# Altium PCB S6.PcbDoc (part 2 of 14)
Units mil, origin at the board's own origin, x right, y up, seen from the top; angles counter-clockwise.
Board outline 5250 x 2929.55 mil, 6 copper layers (Top Layer, Mid-Layer 2, Mid-Layer 4, Mid-Layer 3, Mid-Layer 1, Bottom Layer); 345 components, 365 nets, 2233 pads, 960 vias.
Unrouted connection lines stored in the file: 1.
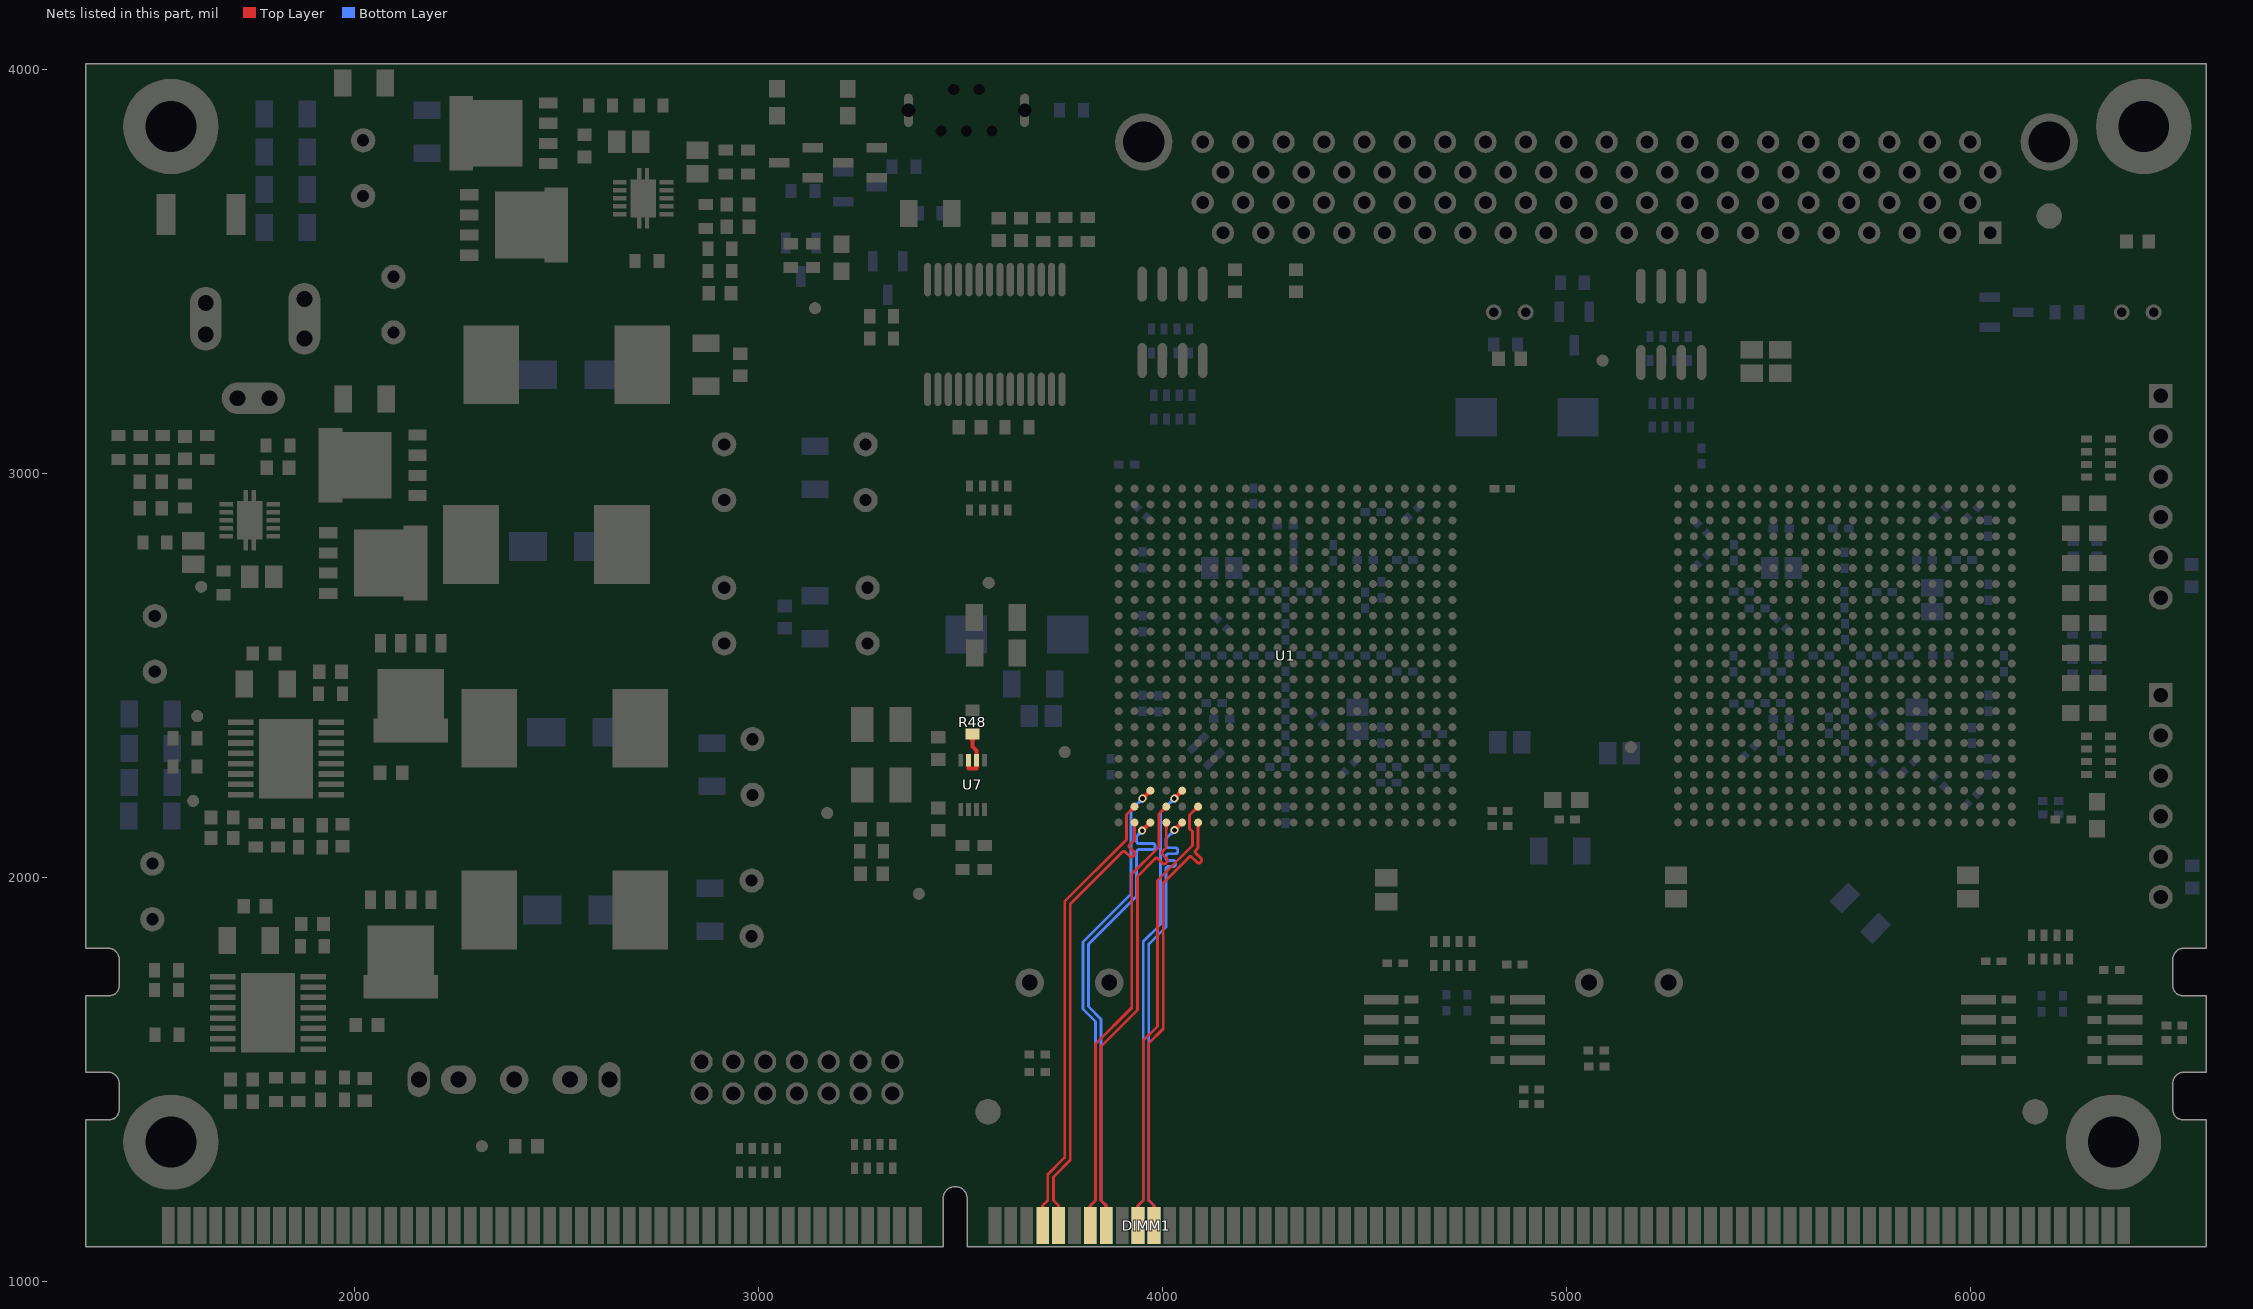
[diagram p6: the nets of this part, all layers, seen from the top]

## Footprints (in the part's own frame and the unit in brackets; to place one, negate y for a bottom-side part, rotate by r counter-clockwise, add the part's x,y. Pads: shape width x height; smd on the part's side, far side on the other; paste and mask are expansions set on the pad) (continued)
DIMM240 [mm]
  rect 0.8x2.3 smd: 1(-49.069,-6.64) 2(-48.069,-6.64) 3(-47.069,-6.64) 4(-46.069,-6.64) 5(-45.069,-6.64) 6(-44.069,-6.64) 7(-43.069,-6.64) 8(-42.069,-6.64) 9(-41.069,-6.64) 10(-40.069,-6.64) 11(-39.069,-6.64) 12(-38.069,-6.64) 13(-37.069,-6.64) 14(-36.069,-6.64) 15(-35.069,-6.64) 16(-34.069,-6.64) 17(-33.069,-6.64) 18(-32.069,-6.64) 19(-31.069,-6.64) 20(-30.069,-6.64) 21(-29.069,-6.64) 22(-28.069,-6.64) 23(-27.069,-6.64) 24(-26.069,-6.64) 25(-25.069,-6.64) 26(-24.069,-6.64) 27(-23.069,-6.64) 28(-22.069,-6.64) 29(-21.069,-6.64) 30(-20.069,-6.64) 31(-19.069,-6.64) 32(-18.069,-6.64) 33(-17.069,-6.64) 34(-16.069,-6.64) 35(-15.069,-6.64) 36(-14.069,-6.64) 37(-13.069,-6.64) 38(-12.069,-6.64) 39(-11.069,-6.64) 40(-10.069,-6.64) 41(-9.069,-6.64) 42(-8.069,-6.64) 43(-7.069,-6.64) 44(-6.069,-6.64) 45(-5.069,-6.64) 46(-4.069,-6.64) 47(-3.069,-6.64) 48(-2.069,-6.64) 49(2.931,-6.64) 50(3.931,-6.64) 51(4.931,-6.64) 52(5.931,-6.64) 53(6.931,-6.64) 54(7.931,-6.64) 55(8.931,-6.64) 56(9.931,-6.64) 57(10.931,-6.64) 58(11.931,-6.64) 59(12.931,-6.64) 60(13.931,-6.64) 61(14.931,-6.64) 62(15.931,-6.64) 63(16.931,-6.64) 64(17.931,-6.64) 65(18.931,-6.64) 66(19.931,-6.64) 67(20.931,-6.64) 68(21.931,-6.64) 69(22.931,-6.64) 70(23.931,-6.64) 71(24.931,-6.64) 72(25.931,-6.64) 73(26.931,-6.64) 74(27.931,-6.64) 75(28.931,-6.64) 76(29.931,-6.64) 77(30.931,-6.64) 78(31.931,-6.64) 79(32.931,-6.64) 80(33.931,-6.64) 81(34.931,-6.64) 82(35.931,-6.64) 83(36.931,-6.64) 84(37.931,-6.64) 85(38.931,-6.64) 86(39.931,-6.64) 87(40.931,-6.64) 88(41.931,-6.64) 89(42.931,-6.64) 90(43.931,-6.64) 91(44.931,-6.64) 92(45.931,-6.64) 93(46.931,-6.64) 94(47.931,-6.64) 95(48.931,-6.64) 96(49.931,-6.64) 97(50.931,-6.64) 98(51.931,-6.64) 99(52.931,-6.64) 100(53.931,-6.64) 101(54.931,-6.64) 102(55.931,-6.64) 103(56.931,-6.64) 104(57.931,-6.64) 105(58.931,-6.64) 106(59.931,-6.64) 107(60.931,-6.64) 108(61.931,-6.64) 109(62.931,-6.64) 110(63.931,-6.64) 111(64.931,-6.64) 112(65.931,-6.64) 113(66.931,-6.64) 114(67.931,-6.64) 115(68.931,-6.64) 116(69.931,-6.64) 117(70.931,-6.64) 118(71.931,-6.64) 119(72.931,-6.64) 120(73.931,-6.64)
  rect 0.8x2.3 smd far side: 121(-49.069,-6.64) 122(-48.069,-6.64) 123(-47.069,-6.64) 124(-46.069,-6.64) 125(-45.069,-6.64) 126(-44.069,-6.64) 127(-43.069,-6.64) 128(-42.069,-6.64) 129(-41.069,-6.64) 130(-40.069,-6.64) 131(-39.069,-6.64) 132(-38.069,-6.64) 133(-37.069,-6.64) 134(-36.069,-6.64) 135(-35.069,-6.64) 136(-34.069,-6.64) 137(-33.069,-6.64) 138(-32.069,-6.64) 139(-31.069,-6.64) 140(-30.069,-6.64) 141(-29.069,-6.64) 142(-28.069,-6.64) 143(-27.069,-6.64) 144(-26.069,-6.64) 145(-25.069,-6.64) 146(-24.069,-6.64) 147(-23.069,-6.64) 148(-22.069,-6.64) 149(-21.069,-6.64) 150(-20.069,-6.64) 151(-19.069,-6.64) 152(-18.069,-6.64) 153(-17.069,-6.64) 154(-16.069,-6.64) 155(-15.069,-6.64) 156(-14.069,-6.64) 157(-13.069,-6.64) 158(-12.069,-6.64) 159(-11.069,-6.64) 160(-10.069,-6.64) 161(-9.069,-6.64) 162(-8.069,-6.64) 163(-7.069,-6.64) 164(-6.069,-6.64) 165(-5.069,-6.64) 166(-4.069,-6.64) 167(-3.069,-6.64) 168(-2.069,-6.64) 169(2.931,-6.64) 170(3.931,-6.64) 171(4.931,-6.64) 172(5.931,-6.64) 173(6.931,-6.64) 174(7.931,-6.64) 175(8.931,-6.64) 176(9.931,-6.64) 177(10.931,-6.64) 178(11.931,-6.64) 179(12.931,-6.64) 180(13.931,-6.64) 181(14.931,-6.64) 182(15.931,-6.64) 183(16.931,-6.64) 184(17.931,-6.64) 185(18.931,-6.64) 186(19.931,-6.64) 187(20.931,-6.64) 188(21.931,-6.64) 189(22.931,-6.64) 190(23.931,-6.64) 191(24.931,-6.64) 192(25.931,-6.64) 193(26.931,-6.64) 194(27.931,-6.64) 195(28.931,-6.64) 196(29.931,-6.64) 197(30.931,-6.64) 198(31.931,-6.64) 199(32.931,-6.64) 200(33.931,-6.64) 201(34.931,-6.64) 202(35.931,-6.64) 203(36.931,-6.64) 204(37.931,-6.64) 205(38.931,-6.64) 206(39.931,-6.64) 207(40.931,-6.64) 208(41.931,-6.64) 209(42.931,-6.64) 210(43.931,-6.64) 211(44.931,-6.64) 212(45.931,-6.64) 213(46.931,-6.64) 214(47.931,-6.64) 215(48.931,-6.64) 216(49.931,-6.64) 217(50.931,-6.64) 218(51.931,-6.64) 219(52.931,-6.64) 220(53.931,-6.64) 221(54.931,-6.64) 222(55.931,-6.64) 223(56.931,-6.64) 224(57.931,-6.64) 225(58.931,-6.64) 226(59.931,-6.64) 227(60.931,-6.64) 228(61.931,-6.64) 229(62.931,-6.64) 230(63.931,-6.64) 231(64.931,-6.64) 232(65.931,-6.64) 233(66.931,-6.64) 234(67.931,-6.64) 235(68.931,-6.64) 236(69.931,-6.64) 237(70.931,-6.64) 238(71.931,-6.64) 239(72.931,-6.64) 240(73.931,-6.64)
  Top Layer region: 74.131,-7.79 73.731,-7.79 73.731,-7.99 74.131,-7.99
  Top Layer region: 73.731,-7.99 74.131,-7.99 74.131,-7.79 73.731,-7.79
  Top Layer region: 73.131,-7.79 72.731,-7.79 72.731,-7.99 73.131,-7.99
  Top Layer region: 72.731,-7.99 73.131,-7.99 73.131,-7.79 72.731,-7.79
  Top Layer region: 72.131,-7.79 71.731,-7.79 71.731,-7.99 72.131,-7.99
  Top Layer region: 71.731,-7.99 72.131,-7.99 72.131,-7.79 71.731,-7.79
  Top Layer region: 71.131,-7.79 70.731,-7.79 70.731,-7.99 71.131,-7.99
  Top Layer region: 70.731,-7.99 71.131,-7.99 71.131,-7.79 70.731,-7.79
  Top Layer region: 70.131,-7.79 69.731,-7.79 69.731,-7.99 70.131,-7.99
  Top Layer region: 69.731,-7.99 70.131,-7.99 70.131,-7.79 69.731,-7.79
  Top Layer region: 69.131,-7.79 68.731,-7.79 68.731,-7.99 69.131,-7.99
  Top Layer region: 68.731,-7.99 69.131,-7.99 69.131,-7.79 68.731,-7.79
  Top Layer region: 68.131,-7.79 67.731,-7.79 67.731,-7.99 68.131,-7.99
  Top Layer region: 67.731,-7.99 68.131,-7.99 68.131,-7.79 67.731,-7.79
  Top Layer region: 67.131,-7.79 66.731,-7.79 66.731,-7.99 67.131,-7.99
  Top Layer region: 66.731,-7.99 67.131,-7.99 67.131,-7.79 66.731,-7.79
  Top Layer region: 66.131,-7.79 65.731,-7.79 65.731,-7.99 66.131,-7.99
  Top Layer region: 65.731,-7.99 66.131,-7.99 66.131,-7.79 65.731,-7.79
  Top Layer region: 65.131,-7.79 64.731,-7.79 64.731,-7.99 65.131,-7.99
  Top Layer region: 64.731,-7.99 65.131,-7.99 65.131,-7.79 64.731,-7.79
  Top Layer region: 64.131,-7.79 63.731,-7.79 63.731,-7.99 64.131,-7.99
  Top Layer region: 63.731,-7.99 64.131,-7.99 64.131,-7.79 63.731,-7.79
  Top Layer region: 63.131,-7.79 62.731,-7.79 62.731,-7.99 63.131,-7.99
  Top Layer region: 62.731,-7.99 63.131,-7.99 63.131,-7.79 62.731,-7.79
  Top Layer region: 62.131,-7.79 61.731,-7.79 61.731,-7.99 62.131,-7.99
  Top Layer region: 61.731,-7.99 62.131,-7.99 62.131,-7.79 61.731,-7.79
  Top Layer region: 61.131,-7.79 60.731,-7.79 60.731,-7.99 61.131,-7.99
  Top Layer region: 60.731,-7.99 61.131,-7.99 61.131,-7.79 60.731,-7.79
  Top Layer region: 60.131,-7.79 59.731,-7.79 59.731,-7.99 60.131,-7.99
  Top Layer region: 59.731,-7.99 60.131,-7.99 60.131,-7.79 59.731,-7.79
  Top Layer region: 59.131,-7.79 58.731,-7.79 58.731,-7.99 59.131,-7.99
  Top Layer region: 58.731,-7.99 59.131,-7.99 59.131,-7.79 58.731,-7.79
  Top Layer region: 58.131,-7.79 57.731,-7.79 57.731,-7.99 58.131,-7.99
  Top Layer region: 57.731,-7.99 58.131,-7.99 58.131,-7.79 57.731,-7.79
  Top Layer region: 57.131,-7.79 56.731,-7.79 56.731,-7.99 57.131,-7.99
  Top Layer region: 56.731,-7.99 57.131,-7.99 57.131,-7.79 56.731,-7.79
  Top Layer region: 56.131,-7.79 55.731,-7.79 55.731,-7.99 56.131,-7.99
  Top Layer region: 55.731,-7.99 56.131,-7.99 56.131,-7.79 55.731,-7.79
  Top Layer region: 55.131,-7.79 54.731,-7.79 54.731,-7.99 55.131,-7.99
  Top Layer region: 54.731,-7.99 55.131,-7.99 55.131,-7.79 54.731,-7.79
  Top Layer region: 54.131,-7.79 53.731,-7.79 53.731,-7.99 54.131,-7.99
  Top Layer region: 53.731,-7.99 54.131,-7.99 54.131,-7.79 53.731,-7.79
  Top Layer region: 53.131,-7.79 52.731,-7.79 52.731,-7.99 53.131,-7.99
  Top Layer region: 52.731,-7.99 53.131,-7.99 53.131,-7.79 52.731,-7.79
  Top Layer region: 52.131,-7.79 51.731,-7.79 51.731,-7.99 52.131,-7.99
  Top Layer region: 51.731,-7.99 52.131,-7.99 52.131,-7.79 51.731,-7.79
  Top Layer region: 51.131,-7.79 50.731,-7.79 50.731,-7.99 51.131,-7.99
  Top Layer region: 50.731,-7.99 51.131,-7.99 51.131,-7.79 50.731,-7.79
  Top Layer region: 50.131,-7.79 49.731,-7.79 49.731,-7.99 50.131,-7.99
  Top Layer region: 49.731,-7.99 50.131,-7.99 50.131,-7.79 49.731,-7.79
  Top Layer region: 49.131,-7.79 48.731,-7.79 48.731,-7.99 49.131,-7.99
  Top Layer region: 48.731,-7.99 49.131,-7.99 49.131,-7.79 48.731,-7.79
  Top Layer region: 48.131,-7.79 47.731,-7.79 47.731,-7.99 48.131,-7.99
  Top Layer region: 47.731,-7.99 48.131,-7.99 48.131,-7.79 47.731,-7.79
  Top Layer region: 47.131,-7.79 46.731,-7.79 46.731,-7.99 47.131,-7.99
  Top Layer region: 46.731,-7.99 47.131,-7.99 47.131,-7.79 46.731,-7.79
  Top Layer region: 46.131,-7.79 45.731,-7.79 45.731,-7.99 46.131,-7.99
  Top Layer region: 45.731,-7.99 46.131,-7.99 46.131,-7.79 45.731,-7.79
  Top Layer region: 45.131,-7.79 44.731,-7.79 44.731,-7.99 45.131,-7.99
  Top Layer region: 44.731,-7.99 45.131,-7.99 45.131,-7.79 44.731,-7.79
  Top Layer region: 44.131,-7.79 43.731,-7.79 43.731,-7.99 44.131,-7.99
  Top Layer region: 43.731,-7.99 44.131,-7.99 44.131,-7.79 43.731,-7.79
  Top Layer region: 43.131,-7.79 42.731,-7.79 42.731,-7.99 43.131,-7.99
  Top Layer region: 42.731,-7.99 43.131,-7.99 43.131,-7.79 42.731,-7.79
  Top Layer region: 42.131,-7.79 41.731,-7.79 41.731,-7.99 42.131,-7.99
  Top Layer region: 41.731,-7.99 42.131,-7.99 42.131,-7.79 41.731,-7.79
  Top Layer region: 41.13,-7.79 40.731,-7.79 40.731,-7.99 41.13,-7.99
  Top Layer region: 40.731,-7.99 41.13,-7.99 41.13,-7.79 40.731,-7.79
  Top Layer region: 40.13,-7.79 39.731,-7.79 39.731,-7.99 40.13,-7.99
  Top Layer region: 39.731,-7.99 40.13,-7.99 40.13,-7.79 39.731,-7.79
  Top Layer region: 39.13,-7.79 38.731,-7.79 38.731,-7.99 39.13,-7.99
  Top Layer region: 38.731,-7.99 39.13,-7.99 39.13,-7.79 38.731,-7.79
  Top Layer region: 38.13,-7.79 37.731,-7.79 37.731,-7.99 38.13,-7.99
  Top Layer region: 37.731,-7.99 38.13,-7.99 38.13,-7.79 37.731,-7.79
  Top Layer region: 37.13,-7.79 36.731,-7.79 36.731,-7.99 37.13,-7.99
  Top Layer region: 36.731,-7.99 37.13,-7.99 37.13,-7.79 36.731,-7.79
  Top Layer region: 36.13,-7.79 35.731,-7.79 35.731,-7.99 36.13,-7.99
  Top Layer region: 35.731,-7.99 36.13,-7.99 36.13,-7.79 35.731,-7.79
  Top Layer region: 35.13,-7.79 34.731,-7.79 34.731,-7.99 35.13,-7.99
  Top Layer region: 34.731,-7.99 35.13,-7.99 35.13,-7.79 34.731,-7.79
  Top Layer region: 34.13,-7.79 33.731,-7.79 33.731,-7.99 34.13,-7.99
  Top Layer region: 33.731,-7.99 34.13,-7.99 34.13,-7.79 33.731,-7.79
  Top Layer region: 33.13,-7.79 32.731,-7.79 32.731,-7.99 33.13,-7.99
  Top Layer region: 32.731,-7.99 33.13,-7.99 33.13,-7.79 32.731,-7.79
  Top Layer region: 32.13,-7.79 31.731,-7.79 31.731,-7.99 32.13,-7.99
  Top Layer region: 31.731,-7.99 32.13,-7.99 32.13,-7.79 31.731,-7.79
  Top Layer region: 31.13,-7.79 30.731,-7.79 30.731,-7.99 31.13,-7.99
  Top Layer region: 30.731,-7.99 31.13,-7.99 31.13,-7.79 30.731,-7.79
  Top Layer region: 30.13,-7.79 29.731,-7.79 29.731,-7.99 30.13,-7.99
  Top Layer region: 29.731,-7.99 30.13,-7.99 30.13,-7.79 29.731,-7.79
  Top Layer region: 29.13,-7.79 28.731,-7.79 28.731,-7.99 29.13,-7.99
  Top Layer region: 28.731,-7.99 29.13,-7.99 29.13,-7.79 28.731,-7.79
  Top Layer region: 28.13,-7.79 27.731,-7.79 27.731,-7.99 28.13,-7.99
  Top Layer region: 27.731,-7.99 28.13,-7.99 28.13,-7.79 27.731,-7.79
  Top Layer region: 27.131,-7.79 26.731,-7.79 26.731,-7.99 27.131,-7.99
  Top Layer region: 26.731,-7.99 27.131,-7.99 27.131,-7.79 26.731,-7.79
  Top Layer region: 26.131,-7.79 25.731,-7.79 25.731,-7.99 26.131,-7.99
  Top Layer region: 25.731,-7.99 26.131,-7.99 26.131,-7.79 25.731,-7.79
  Top Layer region: 25.131,-7.79 24.731,-7.79 24.731,-7.99 25.131,-7.99
  Top Layer region: 24.731,-7.99 25.131,-7.99 25.131,-7.79 24.731,-7.79
  Top Layer region: 24.131,-7.79 23.731,-7.79 23.731,-7.99 24.131,-7.99
  Top Layer region: 23.731,-7.99 24.131,-7.99 24.131,-7.79 23.731,-7.79
  Top Layer region: 23.131,-7.79 22.731,-7.79 22.731,-7.99 23.131,-7.99
  Top Layer region: 22.731,-7.99 23.131,-7.99 23.131,-7.79 22.731,-7.79
  Top Layer region: 22.131,-7.79 21.731,-7.79 21.731,-7.99 22.131,-7.99
  Top Layer region: 21.731,-7.99 22.131,-7.99 22.131,-7.79 21.731,-7.79
  Top Layer region: 21.131,-7.79 20.731,-7.79 20.731,-7.99 21.131,-7.99
  Top Layer region: 20.731,-7.99 21.131,-7.99 21.131,-7.79 20.731,-7.79
  Top Layer region: 20.131,-7.79 19.731,-7.79 19.731,-7.99 20.131,-7.99
  Top Layer region: 19.731,-7.99 20.131,-7.99 20.131,-7.79 19.731,-7.79
  Top Layer region: 19.131,-7.79 18.731,-7.79 18.731,-7.99 19.131,-7.99
  Top Layer region: 18.731,-7.99 19.131,-7.99 19.131,-7.79 18.731,-7.79
  Top Layer region: 18.131,-7.79 17.731,-7.79 17.731,-7.99 18.131,-7.99
  Top Layer region: 17.731,-7.99 18.131,-7.99 18.131,-7.79 17.731,-7.79
  Top Layer region: 17.131,-7.79 16.731,-7.79 16.731,-7.99 17.131,-7.99
  Top Layer region: 16.731,-7.99 17.131,-7.99 17.131,-7.79 16.731,-7.79
  Top Layer region: 16.131,-7.79 15.73,-7.79 15.73,-7.99 16.131,-7.99
  Top Layer region: 15.73,-7.99 16.131,-7.99 16.131,-7.79 15.73,-7.79
  Top Layer region: 15.131,-7.79 14.73,-7.79 14.73,-7.99 15.131,-7.99
  Top Layer region: 14.73,-7.99 15.131,-7.99 15.131,-7.79 14.73,-7.79
  Top Layer region: 14.131,-7.79 13.73,-7.79 13.73,-7.99 14.131,-7.99
  Top Layer region: 13.73,-7.99 14.131,-7.99 14.131,-7.79 13.73,-7.79
  Top Layer region: 13.131,-7.79 12.73,-7.79 12.73,-7.99 13.131,-7.99
  Top Layer region: 12.73,-7.99 13.131,-7.99 13.131,-7.79 12.73,-7.79
  Top Layer region: 12.131,-7.79 11.73,-7.79 11.73,-7.99 12.131,-7.99
  Top Layer region: 11.73,-7.99 12.131,-7.99 12.131,-7.79 11.73,-7.79
  Top Layer region: 11.131,-7.79 10.73,-7.79 10.73,-7.99 11.131,-7.99
  Top Layer region: 10.73,-7.99 11.131,-7.99 11.131,-7.79 10.73,-7.79
  Top Layer region: 10.131,-7.79 9.73,-7.79 9.73,-7.99 10.131,-7.99
  Top Layer region: 9.73,-7.99 10.131,-7.99 10.131,-7.79 9.73,-7.79
  Top Layer region: 9.131,-7.79 8.73,-7.79 8.73,-7.99 9.131,-7.99
  Top Layer region: 8.73,-7.99 9.131,-7.99 9.131,-7.79 8.73,-7.79
  Top Layer region: 8.131,-7.79 7.73,-7.79 7.73,-7.99 8.131,-7.99
  Top Layer region: 7.73,-7.99 8.131,-7.99 8.131,-7.79 7.73,-7.79
  Top Layer region: 7.131,-7.79 6.73,-7.79 6.73,-7.99 7.131,-7.99
  Top Layer region: 6.73,-7.99 7.131,-7.99 7.131,-7.79 6.73,-7.79
  Top Layer region: 6.131,-7.79 5.73,-7.79 5.73,-7.99 6.131,-7.99
  Top Layer region: 5.73,-7.99 6.131,-7.99 6.131,-7.79 5.73,-7.79
  Top Layer region: 5.131,-7.79 4.73,-7.79 4.73,-7.99 5.131,-7.99
  Top Layer region: 4.73,-7.99 5.131,-7.99 5.131,-7.79 4.73,-7.79
  Top Layer region: 4.131,-7.79 3.73,-7.79 3.73,-7.99 4.131,-7.99
  Top Layer region: 3.73,-7.99 4.131,-7.99 4.131,-7.79 3.73,-7.79
  Top Layer region: 3.131,-7.79 2.73,-7.79 2.73,-7.99 3.131,-7.99
  Top Layer region: 2.73,-7.99 3.131,-7.99 3.131,-7.79 2.73,-7.79
  Top Layer region: -1.869,-7.79 -2.269,-7.79 -2.269,-7.99 -1.869,-7.99
  Top Layer region: -2.269,-7.99 -1.869,-7.99 -1.869,-7.79 -2.269,-7.79
  Top Layer region: -2.869,-7.79 -3.269,-7.79 -3.269,-7.99 -2.869,-7.99
  Top Layer region: -3.269,-7.99 -2.869,-7.99 -2.869,-7.79 -3.269,-7.79
  Top Layer region: -3.869,-7.79 -4.269,-7.79 -4.269,-7.99 -3.869,-7.99
  Top Layer region: -4.269,-7.99 -3.869,-7.99 -3.869,-7.79 -4.269,-7.79
  Top Layer region: -4.869,-7.79 -5.269,-7.79 -5.269,-7.99 -4.869,-7.99
  Top Layer region: -5.269,-7.99 -4.869,-7.99 -4.869,-7.79 -5.269,-7.79
  Top Layer region: -5.869,-7.79 -6.269,-7.79 -6.269,-7.99 -5.869,-7.99
  Top Layer region: -6.269,-7.99 -5.869,-7.99 -5.869,-7.79 -6.269,-7.79
  Top Layer region: -6.869,-7.79 -7.269,-7.79 -7.269,-7.99 -6.869,-7.99
  Top Layer region: -7.269,-7.99 -6.869,-7.99 -6.869,-7.79 -7.269,-7.79
  Top Layer region: -7.869,-7.79 -8.269,-7.79 -8.269,-7.99 -7.869,-7.99
  Top Layer region: -8.269,-7.99 -7.869,-7.99 -7.869,-7.79 -8.269,-7.79
  Top Layer region: -8.869,-7.79 -9.269,-7.79 -9.269,-7.99 -8.869,-7.99
  Top Layer region: -9.269,-7.99 -8.869,-7.99 -8.869,-7.79 -9.269,-7.79
  Top Layer region: -9.869,-7.79 -10.269,-7.79 -10.269,-7.99 -9.869,-7.99
  Top Layer region: -10.269,-7.99 -9.869,-7.99 -9.869,-7.79 -10.269,-7.79
  Top Layer region: -10.869,-7.79 -11.269,-7.79 -11.269,-7.99 -10.869,-7.99
  Top Layer region: -11.269,-7.99 -10.869,-7.99 -10.869,-7.79 -11.269,-7.79
  Top Layer region: -11.869,-7.79 -12.269,-7.79 -12.269,-7.99 -11.869,-7.99
  Top Layer region: -12.269,-7.99 -11.869,-7.99 -11.869,-7.79 -12.269,-7.79
  Top Layer region: -12.869,-7.79 -13.269,-7.79 -13.269,-7.99 -12.869,-7.99
  Top Layer region: -13.269,-7.99 -12.869,-7.99 -12.869,-7.79 -13.269,-7.79
  Top Layer region: -13.869,-7.79 -14.269,-7.79 -14.269,-7.99 -13.869,-7.99
  Top Layer region: -14.269,-7.99 -13.869,-7.99 -13.869,-7.79 -14.269,-7.79
  Top Layer region: -14.869,-7.79 -15.269,-7.79 -15.269,-7.99 -14.869,-7.99
  Top Layer region: -15.269,-7.99 -14.869,-7.99 -14.869,-7.79 -15.269,-7.79
  Top Layer region: -15.869,-7.79 -16.269,-7.79 -16.269,-7.99 -15.869,-7.99
  Top Layer region: -16.269,-7.99 -15.869,-7.99 -15.869,-7.79 -16.269,-7.79
  Top Layer region: -16.869,-7.79 -17.269,-7.79 -17.269,-7.99 -16.869,-7.99
  Top Layer region: -17.269,-7.99 -16.869,-7.99 -16.869,-7.79 -17.269,-7.79
  Top Layer region: -17.869,-7.79 -18.269,-7.79 -18.269,-7.99 -17.869,-7.99
  Top Layer region: -18.269,-7.99 -17.869,-7.99 -17.869,-7.79 -18.269,-7.79
  Top Layer region: -18.869,-7.79 -19.269,-7.79 -19.269,-7.99 -18.869,-7.99
  Top Layer region: -19.269,-7.99 -18.869,-7.99 -18.869,-7.79 -19.269,-7.79
  Top Layer region: -19.869,-7.79 -20.269,-7.79 -20.269,-7.99 -19.869,-7.99
  Top Layer region: -20.269,-7.99 -19.869,-7.99 -19.869,-7.79 -20.269,-7.79
  Top Layer region: -20.869,-7.79 -21.269,-7.79 -21.269,-7.99 -20.869,-7.99
  Top Layer region: -21.269,-7.99 -20.869,-7.99 -20.869,-7.79 -21.269,-7.79
  Top Layer region: -21.869,-7.79 -22.269,-7.79 -22.269,-7.99 -21.869,-7.99
  Top Layer region: -22.269,-7.99 -21.869,-7.99 -21.869,-7.79 -22.269,-7.79
  Top Layer region: -22.869,-7.79 -23.269,-7.79 -23.269,-7.99 -22.869,-7.99
  Top Layer region: -23.269,-7.99 -22.869,-7.99 -22.869,-7.79 -23.269,-7.79
  Top Layer region: -23.869,-7.79 -24.269,-7.79 -24.269,-7.99 -23.869,-7.99
  Top Layer region: -24.269,-7.99 -23.869,-7.99 -23.869,-7.79 -24.269,-7.79
  Top Layer region: -24.869,-7.79 -25.269,-7.79 -25.269,-7.99 -24.869,-7.99
  Top Layer region: -25.269,-7.99 -24.869,-7.99 -24.869,-7.79 -25.269,-7.79
  Top Layer region: -25.869,-7.79 -26.269,-7.79 -26.269,-7.99 -25.869,-7.99
  Top Layer region: -26.269,-7.99 -25.869,-7.99 -25.869,-7.79 -26.269,-7.79
  Top Layer region: -26.869,-7.79 -27.269,-7.79 -27.269,-7.99 -26.869,-7.99
  Top Layer region: -27.269,-7.99 -26.869,-7.99 -26.869,-7.79 -27.269,-7.79
  Top Layer region: -27.869,-7.79 -28.269,-7.79 -28.269,-7.99 -27.869,-7.99
  Top Layer region: -28.269,-7.99 -27.869,-7.99 -27.869,-7.79 -28.269,-7.79
  Top Layer region: -28.869,-7.79 -29.269,-7.79 -29.269,-7.99 -28.869,-7.99
  Top Layer region: -29.269,-7.99 -28.869,-7.99 -28.869,-7.79 -29.269,-7.79
  Top Layer region: -29.869,-7.79 -30.269,-7.79 -30.269,-7.99 -29.869,-7.99
  Top Layer region: -30.269,-7.99 -29.869,-7.99 -29.869,-7.79 -30.269,-7.79
  Top Layer region: -30.869,-7.79 -31.269,-7.79 -31.269,-7.99 -30.869,-7.99
  Top Layer region: -31.269,-7.99 -30.869,-7.99 -30.869,-7.79 -31.269,-7.79
  Top Layer region: -31.869,-7.79 -32.269,-7.79 -32.269,-7.99 -31.869,-7.99
  Top Layer region: -32.269,-7.99 -31.869,-7.99 -31.869,-7.79 -32.269,-7.79
  Top Layer region: -32.869,-7.79 -33.269,-7.79 -33.269,-7.99 -32.869,-7.99
  Top Layer region: -33.269,-7.99 -32.869,-7.99 -32.869,-7.79 -33.269,-7.79
  Top Layer region: -33.869,-7.79 -34.269,-7.79 -34.269,-7.99 -33.869,-7.99
  Top Layer region: -34.269,-7.99 -33.869,-7.99 -33.869,-7.79 -34.269,-7.79
  Top Layer region: -34.869,-7.79 -35.269,-7.79 -35.269,-7.99 -34.869,-7.99